# Allegro board 1151864-PCIE3_0_X16-166-20240802_20240815_2000_pcb.brd (continued)
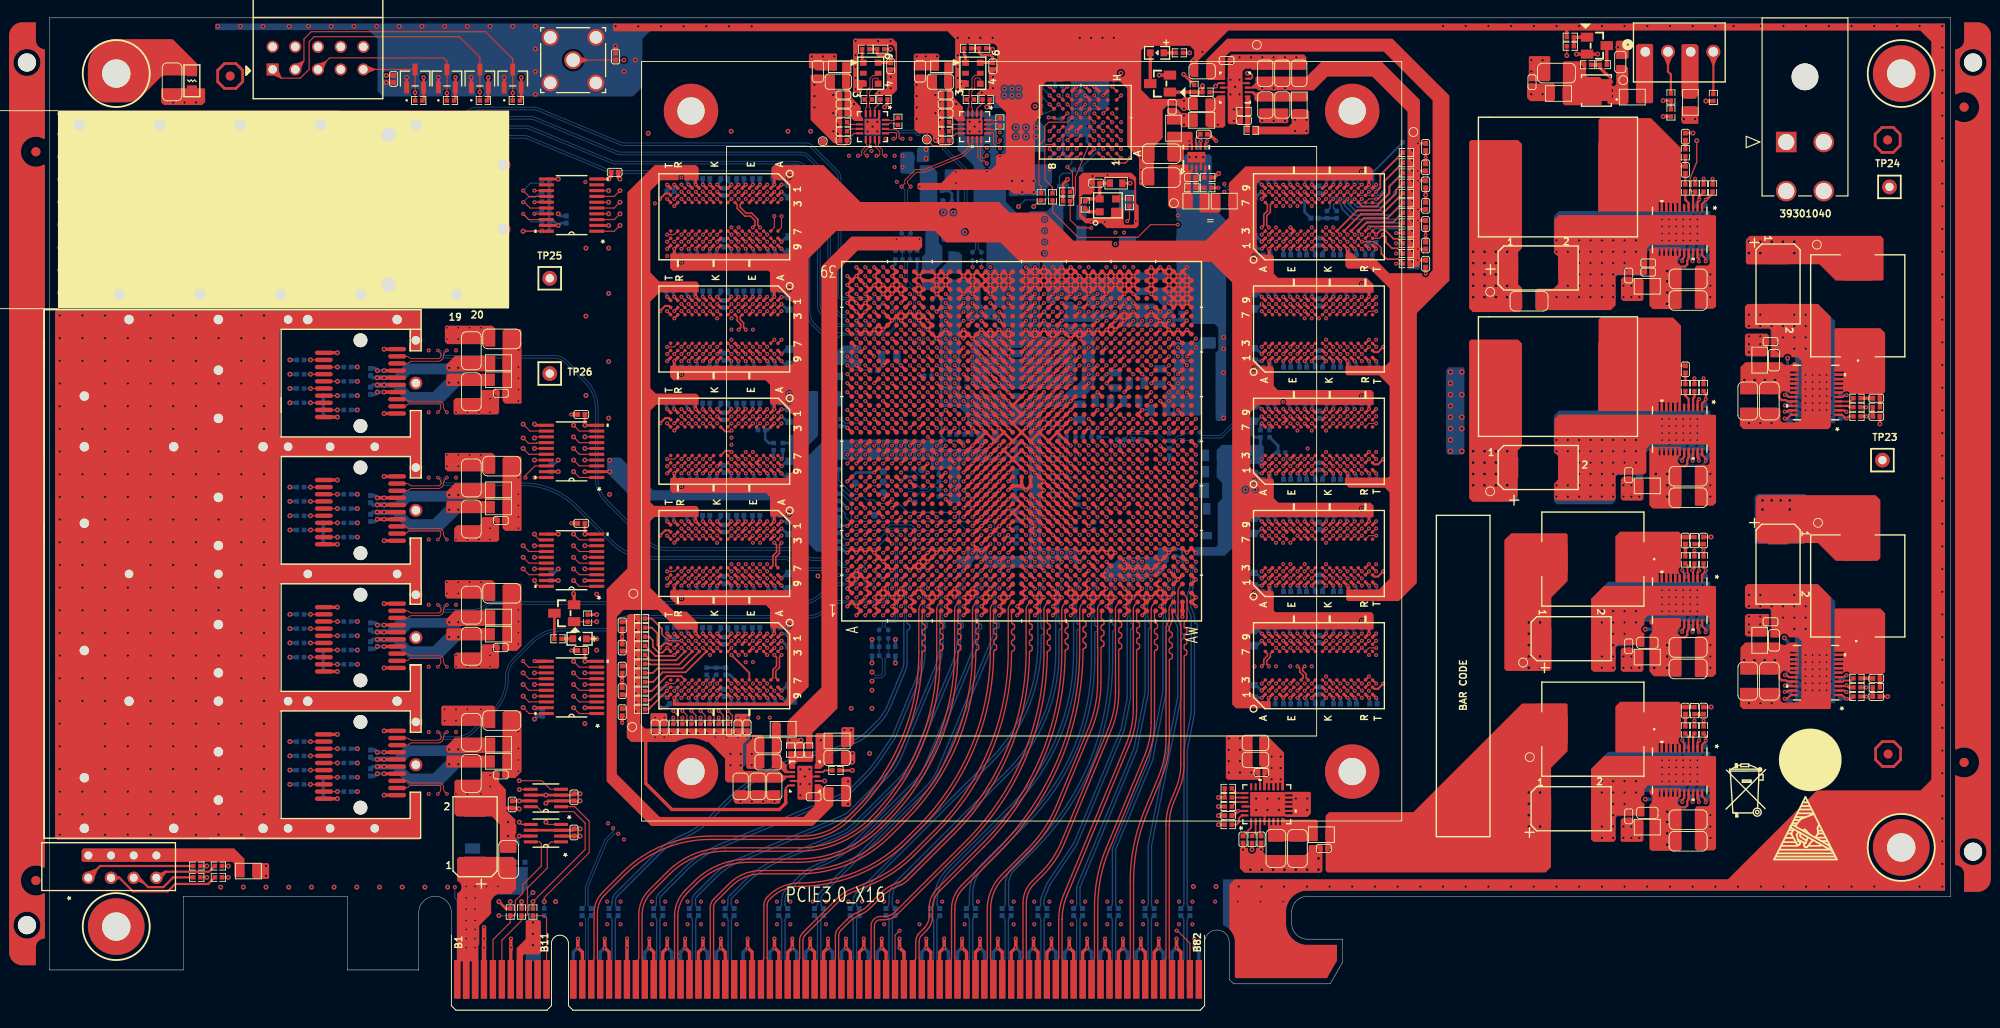
[diagram p0: board, top side]
## Routing (per net, layer and track width the routed paths; a pad name or vN(x,y) marks a point on that pad's centre or on a via; arc(x,y) is an arc through that point) (continued)
PCIE_TXD_3_P: length 49.8
  TOP w0.127: U1.P5 v1(102.32,48.23)
  BOTTOM w0.102: v1(102.32,48.23) 102.32,47.93 arc(102.29,47.86) 102.22,47.83 102.14,47.83 arc(101.84,47.71) 101.72,47.41 101.72,44 arc(101.71,43.95) 101.68,43.91 101.63,43.86 101.63,43.84
  BOTTOM w0.15: 101.63,43.84 101.63,41.99 arc(101.47,40.29) 100.97,38.65 96.83,28.65 arc(96.04,27.17) 94.97,25.87 90.09,20.99 arc(89.26,20.31) 88.3,19.8 81.75,17.08 arc(79.57,15.92) 77.65,14.35 76.17,12.86 arc(76,12.61) 75.94,12.31 75.94,11.9 arc(75.9,11.71) 75.8,11.55 C327.1
PCIE_TXD_4_N: length 46.5
  TOP w0.127: U1.T4 v1(104.32,47.23)
  BOTTOM w0.102: 104.01,43.84 104.01,43.85 103.96,43.9 arc(103.93,43.94) 103.92,43.99 103.92,47.47 arc(103.97,47.58) 104.07,47.63 104.13,47.63 arc(104.26,47.57) 104.32,47.44 v1(104.32,47.23)
  BOTTOM w0.15: 104.01,43.84 104.01,43.44 arc(104.06,43.31) 104.19,43.26 arc(104.3,43.21) 104.34,43.1 104.34,42.82 arc(104.3,42.7) 104.19,42.66 arc(104.06,42.61) 104.01,42.48 104.01,42.38 arc(103.87,40.97) 103.45,39.62 98.36,27.32 arc(97.82,26.31) 97.09,25.42 90.46,18.79 arc(89.81,18.19) 89.12,17.64 arc(87.91,16.86) 86.62,16.23 86.06,15.99 arc(85.06,15.46) 84.19,14.74 82.79,13.34 arc(82.44,12.83) 82.32,12.22 82.32,11.83 82.32,11.82 arc(82.34,11.72) 82.4,11.64 C332.1
PCIE_TXD_4_P: length 46.5
  TOP w0.127: U1.T5 v1(104.32,48.23)
  BOTTOM w0.102: v1(104.32,48.23) 104.32,48.02 arc(104.26,47.89) 104.13,47.83 104.07,47.83 arc(103.82,47.73) 103.72,47.47 103.72,43.92 103.67,43.88 arc(103.64,43.84) 103.63,43.79
  BOTTOM w0.15: 103.63,43.79 103.63,42.38 arc(103.5,41.05) 103.11,39.76 98.02,27.47 arc(97.51,26.52) 96.83,25.68 90.2,19.06 arc(89.57,18.47) 88.9,17.94 arc(87.73,17.18) 86.48,16.57 85.92,16.34 arc(84.86,15.77) 83.93,15.01 82.52,13.6 arc(82.1,12.97) 81.95,12.22 81.95,11.82 arc(81.93,11.71) 81.87,11.62 C331.1
PCIE_TXD_5_N: length 44.7
  TOP w0.127: U1.V4 v1(106.32,47.23)
  BOTTOM w0.102: 106.01,43.84 106.01,43.85 105.96,43.9 arc(105.93,43.94) 105.92,43.99 105.92,47.42 arc(105.98,47.57) 106.13,47.63 arc(106.27,47.57) 106.32,47.44 v1(106.32,47.23)
  BOTTOM w0.15: 106.01,43.84 106.01,43.54 106.01,43.53 arc(106.05,43.44) 106.14,43.4 106.17,43.4 arc(106.26,43.36) 106.3,43.27 106.3,42.93 arc(106.26,42.84) 106.17,42.8 106.14,42.8 arc(106.05,42.76) 106.01,42.67 106.01,41.92 99.84,27.03 arc(99.17,25.77) 98.26,24.66 86.63,13.03 arc(86.43,12.73) 86.36,12.37 86.36,11.87 arc(86.4,11.69) 86.49,11.54 C334.1
PCIE_TXD_5_P: length 44.7
  TOP w0.127: U1.V5 v1(106.32,48.23)
  BOTTOM w0.102: 105.63,43.84 105.72,43.92 105.72,47.42 arc(105.84,47.71) 106.13,47.83 arc(106.26,47.89) 106.32,48.02 v1(106.32,48.23)
  BOTTOM w0.15: C333.1 85.82,11.58 arc(85.95,11.76) 85.99,11.98 85.99,12.37 arc(86.09,12.87) 86.37,13.3 98,24.92 arc(98.86,25.97) 99.5,27.17 105.64,41.99 105.64,43.53 105.63,43.53 105.63,43.84
PCIE_TXD_6_N: length 45.8
  TOP w0.127: U1.AB4 v1(111.32,47.23)
  BOTTOM w0.102: 111.01,43.89 111.01,43.92 110.96,43.97 arc(110.93,44) 110.92,44.05 110.92,47.42 arc(110.98,47.57) 111.13,47.63 arc(111.26,47.57) 111.32,47.44 v1(111.32,47.23)
  BOTTOM w0.15: C336.1 90.49,11.55 arc(90.38,11.71) 90.35,11.89 90.35,12.26 arc(90.41,12.6) 90.6,12.88 90.83,13.11 105.5,27.77 arc(109.57,33.87) 111.01,41.07 111.01,41.94 arc(111.05,42.06) 111.17,42.1 arc(111.28,42.15) 111.33,42.27 111.33,42.54 arc(111.28,42.66) 111.17,42.7 arc(111.05,42.75) 111.01,42.87 111.01,43.89
PCIE_TXD_6_P: length 45.7
  TOP w0.127: U1.AB5 v1(111.32,48.23)
  BOTTOM w0.102: 110.63,43.89 110.63,43.92 110.68,43.97 arc(110.71,44) 110.72,44.05 110.72,47.42 arc(110.84,47.71) 111.13,47.83 arc(111.26,47.89) 111.32,48.02 v1(111.32,48.23)
  BOTTOM w0.15: 110.63,43.89 110.63,41.07 arc(109.23,34.02) 105.23,28.03 90.57,13.37 90.34,13.14 arc(90.07,12.74) 89.98,12.26 89.98,11.96 arc(89.94,11.75) 89.82,11.57 C335.1
PCIE_TXD_7_N: length 44.9
  TOP w0.127: U1.AD4 v1(113.32,47.23)
  BOTTOM w0.102: 113.01,43.89 113.01,43.92 112.96,43.97 arc(112.93,44) 112.92,44.05 112.92,47.44 arc(112.98,47.57) 113.11,47.63 113.13,47.63 arc(113.26,47.57) 113.32,47.44 v1(113.32,47.23)
  BOTTOM w0.15: 113.01,43.89 113.01,43.44 arc(113.05,43.33) 113.16,43.29 arc(113.26,43.24) 113.31,43.14 113.31,42.84 arc(113.26,42.73) 113.16,42.69 arc(113.05,42.64) 113.01,42.54 113.01,40.01 arc(111.56,32.72) 107.43,26.54 94.95,14.06 arc(94.51,13.4) 94.35,12.62 94.35,11.88 arc(94.39,11.7) 94.49,11.55 C338.1
PCIE_TXD_7_P: length 44.9
  TOP w0.127: U1.AD5 v1(113.32,48.23)
  BOTTOM w0.102: 112.63,43.89 112.63,43.92 112.68,43.97 arc(112.71,44) 112.72,44.05 112.72,47.44 arc(112.83,47.72) 113.11,47.83 113.13,47.83 arc(113.26,47.89) 113.32,48.02 v1(113.32,48.23)
  BOTTOM w0.15: C337.1 93.82,11.57 arc(93.94,11.75) 93.98,11.97 93.98,12.62 arc(94.17,13.54) 94.69,14.33 107.16,26.8 arc(111.21,32.86) 112.63,40.01 112.63,43.89
PCIE_TXD_8_N: length 43.3
  TOP w0.127: U1.AF4 v1(115.32,47.23)
  BOTTOM w0.102: 115.01,43.89 115.01,43.92 114.96,43.97 arc(114.93,44) 114.92,44.05 114.92,47.38 arc(114.94,47.47) 114.99,47.54 115.02,47.57 arc(115.08,47.61) 115.16,47.63 115.21,47.63 arc(115.29,47.59) 115.32,47.51 v1(115.32,47.23)
  BOTTOM w0.15: 115.01,43.89 115.01,43.38 arc(115.05,43.27) 115.16,43.23 arc(115.27,43.18) 115.32,43.07 115.32,42.79 arc(115.27,42.68) 115.16,42.63 arc(115.05,42.58) 115.01,42.47 115.01,39.98 arc(113.14,30.6) 107.82,22.64 100.83,15.65 arc(99.74,14.01) 99.35,12.09 99.35,11.88 arc(99.39,11.7) 99.49,11.55 C340.1
PCIE_TXD_8_P: length 43.2
  TOP w0.127: U1.AF5 v1(115.32,48.23)
  BOTTOM w0.102: v1(115.32,48.23) 115.32,47.99 arc(115.27,47.88) 115.17,47.83 115.16,47.83 arc(115,47.8) 114.87,47.71 114.85,47.69 arc(114.75,47.54) 114.72,47.38 114.72,44.05 arc(114.71,44) 114.68,43.97 114.63,43.92 114.63,43.89
  BOTTOM w0.15: 114.63,43.89 114.63,39.98 arc(112.8,30.74) 107.56,22.9 100.57,15.91 arc(99.4,14.15) 98.98,12.09 98.98,11.97 arc(98.94,11.75) 98.82,11.57 C339.1
PCIE_TXD_9_N: length 42.4
  TOP w0.127: U1.AH4 v1(117.32,47.23)
  BOTTOM w0.102: v1(117.32,47.23) 117.32,47.44 arc(117.26,47.57) 117.13,47.63 117.12,47.63 arc(116.98,47.57) 116.92,47.43 116.92,44.05 arc(116.93,44) 116.96,43.97 117.01,43.92 117.01,43.89
  BOTTOM w0.15: 117.01,43.89 117.01,43.16 arc(117.05,43.05) 117.16,43 arc(117.28,42.95) 117.32,42.84 117.32,42.56 arc(117.28,42.45) 117.16,42.4 arc(117.05,42.35) 117.01,42.24 117.01,39.24 arc(115.03,29.29) 109.39,20.85 104.65,16.12 arc(103.69,14.68) 103.35,12.98 103.35,11.88 arc(103.39,11.7) 103.49,11.55 C344.1
PCIE_TXD_9_P: length 42.4
  TOP w0.127: U1.AH5 v1(117.32,48.23)
  BOTTOM w0.102: 116.63,43.89 116.63,43.92 116.68,43.97 arc(116.71,44) 116.72,44.05 116.72,47.43 arc(116.84,47.71) 117.12,47.83 117.13,47.83 arc(117.26,47.89) 117.32,48.02 v1(117.32,48.23)
  BOTTOM w0.15: C343.1 102.82,11.57 arc(102.94,11.75) 102.98,11.97 102.98,12.98 arc(103.35,14.82) 104.39,16.38 109.13,21.11 arc(114.68,29.43) 116.63,39.24 116.63,43.89
PCIE_TXD_10_N: length 41.5
  TOP w0.127: U1.AK4 v1(119.32,47.23)
  BOTTOM w0.102: 119.01,43.89 119.01,43.92 118.96,43.97 arc(118.93,44) 118.92,44.05 118.92,47.42 arc(118.98,47.57) 119.13,47.63 arc(119.26,47.57) 119.32,47.44 v1(119.32,47.23)
  BOTTOM w0.15: 119.01,43.89 119.01,43.28 arc(119.05,43.17) 119.15,43.13 arc(119.26,43.09) 119.3,42.98 119.3,42.68 arc(119.26,42.58) 119.15,42.53 arc(119.05,42.49) 119.01,42.38 119.01,39.01 arc(116.74,27.62) 110.29,17.97 108.03,15.71 arc(107.53,14.96) 107.35,14.07 107.35,11.88 arc(107.39,11.7) 107.49,11.55 C346.1
PCIE_TXD_10_P: length 41.5
  TOP w0.127: U1.AK5 v1(119.32,48.23)
  BOTTOM w0.102: 118.63,43.89 118.63,43.92 118.68,43.97 arc(118.71,44) 118.72,44.05 118.72,47.42 arc(118.84,47.71) 119.13,47.83 arc(119.26,47.89) 119.32,48.02 v1(119.32,48.23)
  BOTTOM w0.15: C345.1 106.82,11.57 arc(106.94,11.75) 106.98,11.97 106.98,14.07 arc(107.19,15.1) 107.77,15.98 110.02,18.23 arc(116.4,27.77) 118.63,39.01 118.63,43.89
PCIE_TXD_11_N: length 40.2
  TOP w0.127: U1.AM4 v1(121.32,47.23)
  BOTTOM w0.102: 121.01,43.92 120.96,43.97 arc(120.93,44) 120.92,44.05 120.92,47.47 arc(120.98,47.6) 121.11,47.65 121.12,47.65 arc(121.13,47.65) 121.14,47.65 121.18,47.65 arc(121.28,47.58) 121.32,47.46 v1(121.32,47.23)
  BOTTOM w0.15: C348.1 111.48,11.56 arc(111.37,11.73) 111.33,11.92 111.33,12.44 112,14.06 115,18.55 120.29,31.31 121.01,34.92 121.01,42.6 arc(121.04,42.69) 121.13,42.72 arc(121.22,42.76) 121.26,42.85 121.26,43.19 arc(121.22,43.28) 121.13,43.32 arc(121.04,43.36) 121.01,43.45 121.01,43.92
PCIE_TXD_11_P: length 40.2
  TOP w0.127: U1.AM5 v1(121.32,48.23)
  BOTTOM w0.102: v1(121.32,48.23) 121.32,48.04 arc(121.26,47.91) 121.13,47.86 121.11,47.86 arc(120.83,47.74) 120.72,47.47 120.72,44.05 arc(120.71,44) 120.68,43.97 120.63,43.92 120.63,43.89
  BOTTOM w0.15: 120.63,43.89 120.63,34.95 119.93,31.42 114.67,18.73 111.67,14.23 110.96,12.51 110.96,11.92 arc(110.92,11.73) 110.81,11.56 C347.1
PCIE_TXD_12_N: length 39.4
  TOP w0.127: U1.AP4 v1(123.32,47.23)
  BOTTOM w0.102: 123.01,43.89 123.01,43.92 122.96,43.97 arc(122.93,44) 122.92,44.05 122.92,47.47 arc(122.98,47.6) 123.11,47.65 123.12,47.65 arc(123.13,47.65) 123.14,47.65 123.18,47.65 arc(123.28,47.58) 123.32,47.46 v1(123.32,47.23)
  BOTTOM w0.15: 123.01,43.89 123.01,43.5 arc(123.04,43.41) 123.12,43.38 arc(123.21,43.35) 123.24,43.26 123.24,42.9 arc(123.21,42.81) 123.12,42.78 arc(123.04,42.75) 123.01,42.66 123.01,35.54 121.74,29.18 115.35,13.76 115.35,11.88 arc(115.39,11.7) 115.49,11.55 C350.1
PCIE_TXD_12_P: length 39.4
  TOP w0.127: U1.AP5 v1(123.32,48.23)
  BOTTOM w0.102: 122.63,43.89 122.63,43.92 122.68,43.97 arc(122.71,44) 122.72,44.05 122.72,47.47 arc(122.83,47.74) 123.11,47.86 123.13,47.86 arc(123.26,47.91) 123.32,48.04 v1(123.32,48.23)
  BOTTOM w0.15: 122.63,43.89 122.63,35.58 121.38,29.29 114.98,13.84 114.98,11.97 arc(114.94,11.75) 114.82,11.57 C349.1
PCIE_TXD_13_N: length 39.1
  TOP w0.15: U1.AT4 v1(125.32,47.23)
  BOTTOM w0.102: v1(125.32,47.23) 125.32,47.46 arc(125.28,47.58) 125.18,47.65 125.14,47.65 arc(125.13,47.65) 125.12,47.65 125.11,47.65 arc(124.98,47.6) 124.92,47.46 124.92,44.05 arc(124.93,44) 124.96,43.97 125.01,43.92 125.01,43.89
  BOTTOM w0.15: C352.1 119.49,11.55 arc(119.39,11.7) 119.35,11.88 119.35,18.03 123.47,27.96 125.01,35.69 125.01,42.37 arc(125.04,42.46) 125.13,42.5 arc(125.26,42.55) 125.31,42.67 125.31,42.92 arc(125.26,43.04) 125.13,43.1 arc(125.04,43.13) 125.01,43.22 125.01,43.89
PCIE_TXD_13_P: length 39
  TOP w0.15: U1.AT5 v1(125.32,48.23)
  BOTTOM w0.102: 124.63,43.89 124.63,43.92 124.68,43.97 arc(124.71,44) 124.72,44.05 124.72,47.46 arc(124.83,47.74) 125.11,47.86 125.13,47.86 arc(125.26,47.91) 125.32,48.04 v1(125.32,48.23)
  BOTTOM w0.15: C351.1 118.82,11.57 arc(118.94,11.75) 118.98,11.97 118.98,18.11 123.11,28.07 124.63,35.73 124.63,43.89
PCIE_TXD_14_N: length 40.5
  TOP w0.127: U1.AU6 v1(126.32,49.23)
  BOTTOM w0.102: v1(126.32,49.23) 126.32,49.46 arc(126.28,49.58) 126.18,49.65 126.13,49.65 arc(125.98,49.59) 125.92,49.44 125.92,45.83 arc(125.93,45.78) 125.96,45.74 126.01,45.69 126.01,45.67
  BOTTOM w0.15: C354.1 123.49,11.55 arc(123.39,11.7) 123.35,11.88 123.35,18.41 126.67,35.07 126.67,41.42 arc(126.71,41.53) 126.82,41.57 arc(126.93,41.62) 126.97,41.72 126.97,42.02 arc(126.93,42.13) 126.82,42.17 arc(126.71,42.21) 126.67,42.32 126.67,42.62 arc(126.65,42.87) 126.57,43.11 126.1,44.25 arc(126.03,44.48) 126.01,44.73 126.01,45.67
PCIE_TXD_14_P: length 40.5
  TOP w0.127: U1.AU7 v1(126.32,50.23)
  BOTTOM w0.102: v1(126.32,50.23) 126.32,50.04 arc(126.26,49.91) 126.13,49.86 126.13,49.86 arc(125.84,49.74) 125.72,49.44 125.72,45.83 arc(125.71,45.78) 125.68,45.74 125.63,45.69 125.63,45.67
  BOTTOM w0.15: C353.1 122.82,11.57 arc(122.94,11.75) 122.98,11.97 122.98,18.44 126.3,35.11 126.3,42.62 arc(126.28,42.8) 126.23,42.97 125.66,44.34 125.63,44.37 125.63,45.67
PCIE_TXD_15_N: length 40.3
  TOP w0.127: U1.AW6 v1(128.32,49.23)
  BOTTOM w0.102: 128.01,47.58 128.01,47.6 127.96,47.65 arc(127.93,47.69) 127.92,47.73 127.92,49.42 arc(127.98,49.57) 128.13,49.63 128.17,49.63 arc(128.28,49.58) 128.32,49.48 v1(128.32,49.23)
  BOTTOM w0.15: 128.01,47.58 128.01,47.35 arc(127.99,47.22) 127.95,47.09 127.81,46.73 arc(127.75,46.57) 127.74,46.39 127.74,45.42 arc(127.75,45.24) 127.81,45.07 128.07,44.43 arc(128.14,44.19) 128.17,43.94 128.17,43.46 arc(128.22,43.34) 128.33,43.29 arc(128.45,43.24) 128.5,43.13 128.5,42.86 arc(128.45,42.74) 128.33,42.69 arc(128.22,42.64) 128.17,42.53 128.17,33.22 127.35,29.13 127.35,11.88 arc(127.39,11.7) 127.49,11.55 C356.1
PCIE_TXD_15_P: length 40.2
  TOP w0.127: U1.AW7 v1(128.32,50.23)
  BOTTOM w0.102: 127.63,47.58 127.63,47.6 127.68,47.65 arc(127.71,47.69) 127.72,47.73 127.72,49.42 arc(127.84,49.71) 128.13,49.83 arc(128.26,49.89) 128.32,50.02 v1(128.32,50.23)
  BOTTOM w0.15: C355.1 126.82,11.57 arc(126.94,11.75) 126.98,11.97 126.98,29.16 127.8,33.26 127.8,43.94 arc(127.78,44.12) 127.73,44.29 127.46,44.93 arc(127.39,45.17) 127.37,45.42 127.37,46.39 arc(127.39,46.64) 127.46,46.88 127.61,47.24 arc(127.63,47.29) 127.63,47.35 127.63,47.58
PCIE_VCC3V3: length 0.8
  BOTTOM w0.381: R201.1 v2(54.13,9.82)
  vias: v2(54.13,8.55) v2(54.13,7.28)
PCIE_WAKE_N: length 19.6
  TOP w0.127: U19.8 54.59,22.79 55.14,22.24 58.67,22.24 59.97,20.94 59.97,18 v2(54.13,12.16) R202.1
  BOTTOM w0.127: R202.1 v2(54.13,12.16)
PCIE_WIDTH_X8: length 56.1
  TOP w0.127: P2.B48 94.65,8.4 v1(95.16,8.9)
  ART05 w0.086: v2(54.13,13.17) 56.09,15.14 94.26,15.14 95.5,13.89 95.5,9.25 v1(95.16,8.9)
  BOTTOM w0.127: v2(54.13,13.17) 53.49,12.54 53.49,11.57 53.31,11.39 R204.2
PCIE_WIDTH_X16: length 86.5
  TOP w0.127: P2.B81 127.66,4.01 127.66,7.49 126.25,8.9 v1(126.16,8.9)
  ART05 w0.086: v1(126.16,8.9) 123.91,8.9 116.66,16.15 54.08,16.15 51.59,13.67 v2(51.59,12.16)
  BOTTOM w0.127: R205.2 v2(51.59,12.16)
QSFP_CLK_156P25M_N: length 24.1
  TOP w0.102: U20.14 93.85,98.72 93.95,98.62 94.79,98.62 95.1,98.31 95.1,97.71 95.2,97.61 v1(95.49,97.61)
  BOTTOM w0.102: v1(95.49,97.61) 95.23,97.61 95.13,97.71 95.13,98.17 95.23,98.27 96.93,98.27 97.03,98.17 97.03,98.07 97.13,97.97 97.33,97.97 97.44,98.07 97.44,98.17 97.54,98.27 97.74,98.27 97.84,98.17 97.84,98.07 97.94,97.97 98.15,97.97 98.25,98.07 98.25,98.17 98.35,98.27 99.75,98.27 99.97,98.04 99.97,96.46 102.42,94.01 102.42,88.42 103.67,87.17 103.67,85.25 C15.1
QSFP_CLK_156P25M_P: length 23.8
  TOP w0.102: U20.13 93.86,98.22 93.96,98.32 94.67,98.32 94.8,98.19 94.8,97.71 94.7,97.61 v1(94.48,97.61)
  BOTTOM w0.102: v1(94.48,97.61) 94.74,97.61 94.84,97.71 94.84,98.29 95.11,98.57 99.87,98.57 100.27,98.17 100.27,96.58 102.72,94.13 102.72,88.54 103.97,87.29 103.97,85.25 C14.1
REFCLK_LVDS_200M_N: length 5.5
  TOP w0.102: U22.5 104.1,104.95 103.86,104.71 103.58,104.71 103.27,104.4 103.27,103.35 102.94,103.01 102.94,102.26 R215.1 102.91,101.78 102.91,101.15 102.81,101.05 U23.4
REFCLK_LVDS_200M_P: length 5.5
  TOP w0.102: U22.4 104.19,104.28 104.05,104.42 103.7,104.42 103.56,104.28 103.56,103.22 103.23,102.89 103.23,102.34 103.48,102.09 R215.2 103.21,101.73 103.21,101.15 103.31,101.05 U23.3
SFP0_LED: length 143.7
  TOP w0.127: U1.J11 v1(98.32,54.23)
  TOP w0.152: v2(17.63,16.14) R52.2
  ART03 w0.086: v1(98.32,54.23) 97.83,54.72 97.83,55.32 98.21,55.7 100.24,55.7 101.36,56.82 106.38,56.82 106.92,56.28 106.92,44.1 107.11,43.91 107.11,23.06 95.33,11.28 65.58,11.28 60.88,15.98 56.21,15.98 54.37,17.82 19.3,17.82 v2(17.63,16.14)
SFP1_LED: length 151.3
  TOP w0.127: U1.C13 v1(92.32,56.23)
  TOP w0.152: v2(20.04,14.87) R51.2
  ART03 w0.086: v1(92.32,56.23) 92.73,55.82 95.56,55.82 96.3,56.57 98.55,56.57 99.81,57.82 101.47,57.82 101.79,58.14 101.79,58.37 102.12,58.7 107.86,58.7 108.37,58.19 108.37,46.31 108.81,45.87 108.81,22.99 95.96,10.13 59.54,10.13 54.04,15.64 20.8,15.64 v2(20.04,14.87)
SFP2_LED: length 150
  TOP w0.127: U1.F12 v1(94.32,55.23)
  TOP w0.152: v2(17.63,14.87) R50.2
  ART03 w0.086: v1(94.32,55.23) 94.73,55.63 95.68,55.63 96.23,56.19 99.94,56.19 101.2,57.45 101.55,57.45 101.92,57.82 107.8,57.82 108.11,57.51 108.11,45.63 107.85,45.36 107.85,22.71 95.68,10.54 59.79,10.54 53.48,16.85 21.59,16.85 20.19,15.46 18.21,15.46 v2(17.63,14.87)
SFP3_LED: length 145.3
  TOP w0.127: U1.H12 v1(96.32,55.23)
  TOP w0.152: v2(20.04,16.14) R49.2
  ART03 w0.086: v1(96.32,55.23) 96.84,55.75 97.83,55.75 98.07,56 100.1,56 101.37,57.26 101.7,57.26 102.07,57.63 107.67,57.63 107.86,57.44 107.86,45.76 107.54,45.44 107.54,22.89 95.53,10.87 62.15,10.87 60.83,12.19 60.83,13.87 59.69,15.01 56.27,15.01 53.97,17.31 21.21,17.31 v2(20.04,16.14)
SFP_CLK_156P25M_N: length 161.2
  TOP w0.102: U20.10 91.88,97.09 91.78,96.99 91.78,96.72 91.19,96.13 91.19,95.91 91.39,95.71 v1(91.53,95.71)
  ART05 w0.084: v1(91.53,95.71) 91.34,95.89 91.34,96.55 90.61,97.28 64.44,97.28 61.11,93.95 61.11,54.5 62.32,53.3 62.32,29.96 70.24,22.03 85.76,22.03 88.56,24.83 88.56,28.66 89.42,29.52 90.56,29.52 97.22,36.18 99.16,40.88 99.16,44.55 99.01,44.7 99.01,45 98.93,45.08 98.93,49.45 99.12,49.64 99.24,49.64 99.32,49.55 v1(99.32,49.23)
  BOTTOM w0.102: v1(99.32,49.23) 99.81,48.74 C13.1
SFP_CLK_156P25M_P: length 161.3
  TOP w0.102: U20.9 91.38,97.11 91.48,97.01 91.48,96.84 90.89,96.25 90.89,95.81 90.79,95.71 v1(90.51,95.71)
  ART05 w0.084: v1(99.32,50.23) 99.32,49.91 99.24,49.82 99.04,49.82 98.75,49.53 98.75,45.08 98.67,45 98.67,44.56 98.82,44.41 98.82,43.72 98.73,43.64 98.61,43.64 98.53,43.55 98.53,43.38 98.61,43.3 98.73,43.3 98.82,43.22 98.82,40.95 96.92,36.38 90.42,29.87 89.28,29.87 88.21,28.8 88.21,24.97 85.62,22.38 70.38,22.38 62.66,30.1 62.66,53.44 61.46,54.65 61.46,93.81 64.58,96.94 89,96.94 89.08,96.85 89.08,96.63 89.16,96.55 89.33,96.55 89.42,96.63 89.42,96.85 89.5,96.94 89.67,96.94 89.75,96.85 89.75,96.6 89.84,96.52 90,96.52 90.09,96.6 90.09,96.85 90.17,96.94 90.46,96.94 91,96.4 91,95.94 90.76,95.71 v1(90.51,95.71)
  BOTTOM w0.102: C12.1 99.79,49.76 v1(99.32,50.23)
SMA_REFCLK_LVCMOS1V8: length 93.4
  TOP w0.127: J2.1 C18.1 v2(64.32,106.42)
  ART03 w0.086: v1(95.32,60.23) 96.25,60.23 96.8,60.78 96.8,67.46 97.05,67.72 97.59,67.72 97.82,67.94 97.82,69.47 98.15,69.8 104.6,69.8 104.85,70.05 104.85,92.2 100.74,96.32 99.11,96.32 98.42,97 82.25,97 74.14,105.11 65.63,105.11 v2(64.32,106.42)
  BOTTOM w0.127: v1(95.32,60.23) 95.72,60.63 R55.1
VCXO_156P25M_N: length 5.5
  TOP w0.102: U21.5 92.68,104.95 92.42,104.69 92.17,104.69 91.84,104.36 91.84,103.35 91.51,103.01 91.51,102.26 R209.1 91.48,101.78 91.48,101.15 91.38,101.05 U20.4
VCXO_156P25M_P: length 5.5
  TOP w0.102: U20.3 91.88,101.05 91.78,101.15 91.78,101.73 R209.2 92.05,102.09 91.8,102.34 91.8,102.89 92.13,103.22 92.13,104.24 92.29,104.39 92.66,104.39 92.76,104.29 U21.4
VREG_0V9: length 17.7
  TOP w0.254: v1(194.24,37.52) 194.46,37.52 194.68,37.3 U26.18 ; R243.1 v1(203.35,36.15)
  ART03 w0.305: v1(194.24,37.52) 195.16,37.52 195.68,38.05 195.68,40.26 196.11,40.69 199.19,40.69 203.35,36.53 v1(203.35,36.15)
  BOTTOM w0.305: R242.1 194.54,39.09 194.43,38.97 C401.1 194.43,37.71 v1(194.24,37.52)
VREG_1V2: length 15.9
  TOP w0.254: v1(182.75,61.55) 182.75,61.76 182.97,61.99 U32.18 ; R280.1 v1(184.12,70.78)
  ART03 w0.381: v1(184.12,70.78) 183.79,70.46 183.79,67.87 185.27,66.4 185.27,63.11 184.89,62.73 183.17,62.73 182.75,62.3 v1(182.75,61.55)
  BOTTOM w0.254: v1(182.75,61.55) 182.56,61.73 C445.1 R285.1
VREG_1V5: length 18.1
  TOP w0.254: R248.1 v1(184.12,32.43) ; v1(182.75,23.32) 182.75,23.54 182.97,23.76 U27.18
  ART03 w0.254: v1(182.75,23.32) 183.44,22.63 185.65,22.63 186.05,23.02 186.05,27.42 183.85,29.61 183.85,32.16 v1(184.12,32.43)
  BOTTOM w0.305: R253.1 181.15,23.62 181.27,23.51 C410.1 182.56,23.51 v1(182.75,23.32)
VREG_1V8: length 18.9
  TOP w0.254: v1(182.75,42.37) 182.75,42.59 182.97,42.81 U25.18 ; R228.1 v1(184.12,51.48)
  ART03 w0.381: v1(184.12,51.48) 182.67,51.48 181.99,50.8 181.99,48.82 182.93,47.88 184.81,47.88 185.34,47.35 185.34,43.94 184.96,43.56 183.93,43.56 v1(182.75,42.37)
  BOTTOM w0.305: v1(182.75,42.37) 182.56,42.56 C392.1 181.27,42.56 181.15,42.67 R233.1
VREG_3V3: length 15.5
  TOP w0.254: U29.18 194.68,68.68 194.46,68.9 v1(194.24,68.9) ; R263.1 v1(203.35,67.53)
  ART03 w0.305: v1(194.24,68.9) 194.92,68.9 195.22,68.6 195.22,67.23 196.01,66.45 199.05,66.45 200.42,67.82 203.06,67.82 v1(203.35,67.53)
  BOTTOM w0.305: v1(194.24,68.9) 194.43,69.09 C428.1 194.43,70.28 194.54,70.4 R268.1
VREG_VCCINT: length 16.1
  TOP w0.254: v1(182.75,83.9) 182.75,84.12 182.97,84.34 U24.18 ; R218.1 v1(184.2,93.13)
  ART03 w0.254: v1(184.2,93.13) 184.2,92.59 184.81,91.97 185.6,91.97 186,91.57 186,85.36 185.75,85.1 183.03,85.1 182.75,84.82 v1(182.75,83.9)
  BOTTOM w0.254: v1(182.75,83.9) 182.56,84.09 C375.2
VTTDDR4_1: length 28.8
  TOP w0.203: U33.5 82.71,25.18 82.42,24.89 82.42,24.61
  TOP w0.381: 64.94,38.55 C160.1 ; 64.78,33.78 C169.1 ; 66.75,30.58 66.75,25.4 69.67,22.48 81.71,22.48 82.42,23.19 82.42,24.61 ; 64.88,40.21 C158.1 ; 64.8,35.34 C157.1 ; 65.11,43.5 C161.1
  vias: v1(67.8,30.58) v1(68.82,30.58) v1(74.53,30.58) v1(75.8,30.58) v1(77.07,30.58) v1(78.09,30.58) v2(76.24,28.7) v2(76.24,27.43) v2(77.38,28.7) v2(77.38,27.43)
VTTDDR4_2: length 42.6
  TOP w0.203: U34.5 134.49,104.34 134.63,104.48 134.63,104.76 134.44,104.95 v2(134.1,104.95)
  TOP w0.305: C256.1 v1(153.17,88.46) ; C250.1 v1(153.17,84.02) ; C248.1 v1(153.17,92.91) ; C251.1 v1(153.17,94.01) ; C254.1 v1(153.17,89.69) ; C255.1 v1(153.17,85.25) ; C249.1 v1(153.17,97.1)
  ART10 w0.305: v2(134.1,104.95) 134.1,99.45 136.37,97.18 147.78,97.18 153.17,91.79 v1(153.17,89.69)
  BOTTOM w0.305: C254.1 v1(153.17,89.69) ; C251.1 v1(153.17,94.01) ; C256.1 v1(153.17,88.46) ; C250.1 v1(153.17,84.02) ; C248.1 v1(153.17,92.91) ; C255.1 v1(153.17,85.25)
  vias: v2(135.75,103.28) v2(137.02,103.28) v2(138.29,103.28)
VTTVREF_DDR4_1: length 10.2
  TOP w0.305: 72.35,55.46 v1(72.35,54.76) U6.M1 ; v1(72.35,42.18) U7.M1 ; U4.M1 v1(72.35,79.9) 72.35,80.55 ; 72.35,68.09 v1(72.35,67.33) U8.M1 ; U5.M1 v1(72.35,92.47) 72.35,93.17
  TOP w0.381: v1(72.35,42.18) 72.35,42.97
  BOTTOM w0.305: C94.1 72.14,54.96 v1(72.35,54.76) ; C123.1 72.14,67.53 v1(72.35,67.33) ; v1(72.35,92.47) 72.19,92.63 C153.1 ; v1(72.35,79.9) 72.14,80.11 C124.1 ; v1(72.35,42.18) 72.14,42.39 C93.1
VTTVREF_DDR4_2: length 33.5
  TOP w0.305: 145.29,59.42 v1(145.29,60.13) U13.M1 ; U11.M1 v1(145.29,34.98) ; v1(145.29,85.27) U9.M1 ; 145.35,46.79 145.35,47.42 arc(145.34,47.49) v1(145.29,47.56) U12.M1 ; U10.M1 v1(145.29,72.7) 145.29,71.96
  TOP w0.381: 145.29,84.43 v1(145.29,85.27)
  ART05 w0.381: v1(145.29,47.56) 145.29,47.35 145.68,46.96 150.1,46.96 150.48,46.58 150.48,34.9 149.49,33.91 145.68,33.91 145.29,34.29 v1(145.29,34.98)
  BOTTOM w0.305: C183.1 145.5,72.5 v1(145.29,72.7) ; v1(145.29,60.13) 145.5,59.92 C212.1 ; v1(145.29,47.56) 145.5,47.35 C213.1 ; v1(145.29,85.27) 145.5,85.07 C182.1 ; C242.1 145.5,34.78 v1(145.29,34.98)
$45N300: length 3.5
  TOP w0.381: DS2.2 Q2.3
$45N301: length 1.3
  TOP w0.381: R291.2 DS2.1
N16762349: length 2.6
  TOP w0.305: U1.W16 v1(107.32,59.23)
  BOTTOM w0.305: v1(107.32,59.23) 107.34,59.21 C2.1 L1.2
N16789769: length 7.3
  TOP w0.127: R27.2 114.51,91.93 114.51,93.88 v1(113.95,94.45)
  TOP w0.155: U2.C6 v1(113.95,97.46)
  BOTTOM w0.127: v1(113.95,97.46) 114.44,96.98 114.44,94.92 113.96,94.45 v1(113.95,94.45)
N16789847: length 3
  TOP w0.127: U2.F7 v1(112.95,101.46)
  BOTTOM w0.127: v1(112.95,101.46) 112.32,100.83 111.37,100.44 R29.2
N16789987: length 6.7
  TOP w0.127: R30.1 112.28,92.18 111.42,93.04 111.42,96.76 111.62,96.96 U2.B8
N16790074: length 9.7
  TOP w0.305: U2.D5 v1(114.95,98.46) ; U2.G4 v1(115.95,102.46) ; U2.H3 v1(116.95,103.46) ; U2.D6 v1(113.95,98.46) ; U2.A6 v1(113.95,95.46) ; U2.A4 v1(116.95,96.46)
  BOTTOM w0.305: 116.14,98.12 116.14,97.27 v1(116.95,96.46) ; v1(113.95,98.46) 113.45,97.96 C8.1
  BOTTOM w0.381: v1(113.95,95.46) C8.1
N16799292: length 1.6
  TOP w0.155: U2.H1 v1(118.95,103.46)
  BOTTOM w0.127: R31.1 119.14,103.65 v1(118.95,103.46)
N16802147: length 2.9
  TOP w0.305: Q1.3 R4.1
N16802293: length 1.3
  TOP w0.381: DS1.2 R4.2
N16814962: length 3.1
  TOP w0.305: U1.AV6 v1(127.32,49.23)
  BOTTOM w0.254: R33.1 126.38,50.85 126.83,50.39 126.83,50.13 126.93,49.89 v1(127.32,49.23)
N16842391: length 7.3
  BOTTOM w0.15: C322.2 63.49,10.42 arc(63.38,10.27) 63.34,10.08 63.34,5.79 arc(63.38,5.61) 63.48,5.45 63.5,5.43 arc(63.61,5.27) 63.65,5.08 P2.A17
N16842394: length 7.3
  BOTTOM w0.15: P2.A16 62.65,5.09 arc(62.69,5.28) 62.8,5.44 62.82,5.46 arc(62.93,5.63) 62.96,5.82 62.97,5.83 62.97,10.02 arc(62.93,10.23) 62.81,10.41 C321.2
N16842471: length 7.3
  BOTTOM w0.15: P2.A22 68.65,5.08 arc(68.61,5.27) 68.5,5.43 68.48,5.45 arc(68.38,5.61) 68.34,5.79 68.34,7.06 68.34,10.08 arc(68.38,10.27) 68.49,10.42 C324.2
N16842473: length 7.3
  BOTTOM w0.15: P2.A21 67.65,5.09 arc(67.69,5.28) 67.8,5.44 67.82,5.46 arc(67.93,5.63) 67.96,5.82 67.97,5.83 67.97,7.21 67.97,10.02 arc(67.93,10.23) 67.81,10.41 C323.2
N16842537: length 7.3
  BOTTOM w0.15: C326.2 72.49,10.42 arc(72.38,10.27) 72.34,10.08 72.34,7.06 72.34,5.79 arc(72.38,5.61) 72.48,5.45 72.5,5.43 arc(72.61,5.27) 72.65,5.08 P2.A26
